# Altium PCB MiGo_V4.0.PcbDoc (part 1 of 2) (continued)
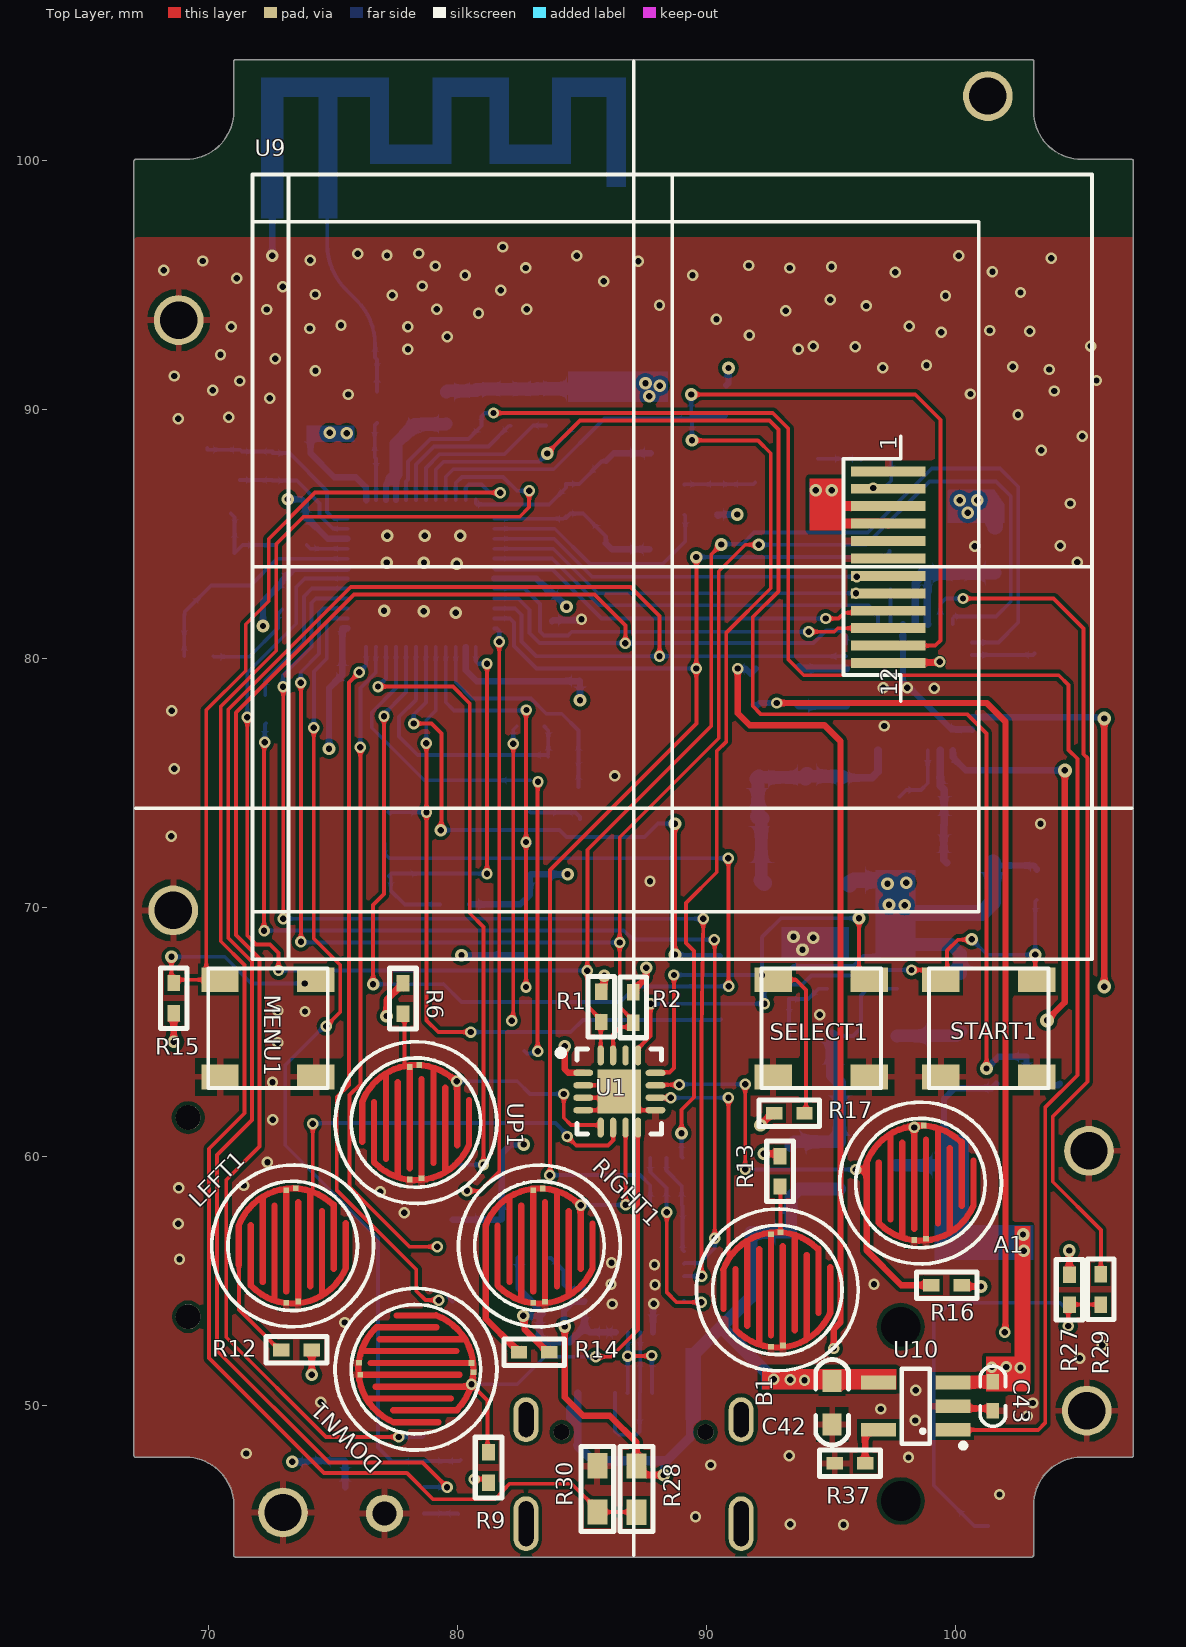
[diagram p0: Top Layer view]
## Components (designator, comment, footprint, x,y, rotation, side; value= is the part's Value field where it differs from the comment) (continued)
R7 "499" "R 0402" 72.314,78.011 r270 bottom
R8 "0" "R 0402" 84.259,76.07 r180 bottom
R9 "10k" "R 0402" 81.25,47.503 r270 top
R10 "10k" "R 0402" 103.271,70.912 r90 bottom
R11 "0" "R 0402" 84.869,74.224 r270 bottom
R12 "10k" "R 0402" 73.533,52.23 r0 top
R13 "10k" "R 0402" 93.332,61.735 r180 top
R14 "10k" "R 0402" 83.083,52.144 r0 top
R15 "10k" "R 0402" 68.61,66.36 r270 top
R16 "10k" "R 0402" 99.652,54.834 r0 top
R17 "10k" "R 0402" 92.959,59.406 r90 top
R18 "5M" "R 0402" 84.358,86.33 r90 bottom
R19 "10k" "R 0402" 79.908,70.127 r0 bottom
R21 "0" "R 0603" 100.581,71.806 r180 bottom
R22 "100k" "R 0402" 80.747,47.816 r0 bottom
R23 "0" "R 0402" 80.64,45.634 r0 bottom
R24 "10R" "R 0603" 101.597,84.371 r270 bottom
R25 "4.7k" "R 0402" 83.076,55.918 r180 bottom
R26 "0" "R 0402" 97.348,83.586 r270 bottom
R27 "10k" "R 0402" 104.587,54.648 r270 top
R28 "470K" "R 0603" 87.191,46.642 r270 top
R29 "0" "R 0402" 105.847,54.663 r90 top
R30 "470K" "R 0603" 85.618,46.645 r90 top
R31 "10k" "R 0402" 103.182,80.82 r270 bottom
R32 "100K" "R 0402" 91.791,57.501 r270 bottom
R33 "0" "R 0603" 88.938,76.566 r0 bottom
R34 "523k" "R 0402" 93.322,66.855 r270 bottom
R35 "10" "R 0402" 96.817,87.998 r0 bottom
R36 "10K" "R 0402" 90.424,86.398 r90 bottom
R37 "1.5K" "R 0402" 95.768,47.673 r180 top
R38 "1K" "R 0402" 89.116,86.39 r90 bottom
R39 "115k" "R 0402" 93.32,64.165 r90 bottom
R40 "470K" "R 0402" 102.253,62.801 r0 bottom
R41 "470K" "R 0402" 104.816,62.931 r0 bottom
R59 "10K" "R 0402" 90.8,90.371 r270 bottom
RIGHT1 "SW SMD-2" "Touch key 3"#5 83.295,56.405 r90 top
SELECT1 "SW SMD-2" "SW SMD-4.8*4.8*0.5" 94.615,65.151 r0 top
START1 "SW SMD-2" "SW SMD-4.8*4.8*0.5" 101.346,65.151 r0 top
U1 "PCF8574RGTR" QFN16 86.505,62.611 r0 top
U2 "esp32" QFN48A 78.532,83.416 r270 bottom
U3 "PSRAM64H" SOIC8 80.068,73.208 r0 bottom
U4 "wm8978" "QFN32 5x5_M" 98.146,78.849 r90 bottom
U5 "INMP441" INMP441 77.069,45.69 r0 bottom
U6 "CP2104" QFN24 87.107,54.943 r90 bottom
U7 "UMH3N" SOT336 88.445,58.908 r90 bottom
U8 "TLV62565" SOT23-5N 96.258,65.791 r270 bottom
U9 "IPS130-12" IPS154 87.079,83.688 r90 top
U10 "LTC4054" SOT23-5M 98.414,49.969 r90 top
UP1 "SW SMD-2" "Touch key 3"#6 78.334,61.362 r90 top
USB1 "Type-C" "type C 16p" 87.076,47.622 r90 bottom
VD1 "SS24" SOD-123 93.388,58.725 r90 bottom
X1 "40M" XTAL-3225 70.998,84.155 r180 bottom
X2 "32.768KHz" XTAL-3215 86.187,86.416 r90 bottom

## Footprints (in the part's own frame and the unit in brackets; to place one, negate y for a bottom-side part, rotate by r counter-clockwise, add the part's x,y. Pads: shape width x height; smd on the part's side, far side on the other; paste and mask are expansions set on the pad)
2.4GANTS10 [mil] "ESP32 天线"
  rect 20x20 smd: 1(1,7) 2(88,9)
  Top Layer region: -14.84,-4.5 14.85,-4.5 14.85,188.41 70.73,188.41 70.73,-4.5 105.4,-4.5 105.4,218.1 -96.47,218.1 -96.47,111.8 -165.64,111.8 -165.64,218.1 -285.87,218.1 -285.87,111.8 -354.61,111.8 -354.61,218.1 -470.91,218.1 -470.91,45.69 -441.23,45.69 -441.23,188.41 -384.3,188.41 -384.3,82.11 -256.19,82.11 -256.19,188.41 -195.32,188.41 -195.32,82.11 -66.78,82.11 -66.78,188.41 -14.84,188.41 -14.84,-4.5
3015 [mm]
  rect 1.2x2.8 smd: 1(-1,0) 2(1,0)
  silkscreen extent -1.75,-1.5 1.75,1.5
"BEEP SMD-2" [mm]
  rect 2x1 smd: 1(0,0) 2(0,2)
  silkscreen extent -1.32,-0.79 1.32,2.84
"C 0402" [mil] "无极性贴片电容"
  rect 25x20 smd: 1(-23,0.16) 2(23,0.16)
  silkscreen extent -48,-20 48,20, body extent -20,-10 20,10, height 20
"C 0603" [mil] "无极性贴片电容"
  rect 35x30 smd: 1(-35,0) 2(34,0)
  silkscreen extent -67,-26 67,26, body extent -31,-16 31,16, height 32
"C 0805" [mil] "无极性贴片电容"
  rect 50x50 smd: 1(-45,0) 2(45,0)
  silkscreen extent -89,-36 89,36, body extent -39,-24 39,24, height 20
INMP441 [mm]
  rect 1.2x0.5 smd: 1(1.58,-3.125) 2(1.58,-2.075) 3(1.58,-1.025) 6(-1.58,0.025) 7(-1.58,-1.025) 8(-1.58,-2.075) 9(-1.58,-3.125)
  rect 1.2x0.5 smd mask+0.102: 4(1.58,0.025)
  round 1.5 hole 0.96: 5(0,0.025)
  silkscreen extent -1.88,-3.62 1.88,1.1, body extent -1.88,-3.62 1.88,1.1, height 1
IPS154 [mm]
  rect 0.4x3 smd: 1(3.835,-10.23) 2(3.135,-10.23) 3(2.435,-10.23) 4(1.735,-10.23) 5(1.035,-10.23) 6(0.335,-10.23) 7(-0.365,-10.23) 8(-1.065,-10.23) 9(-1.765,-10.23) 10(-2.465,-10.23) 11(-3.165,-10.23) 12(-3.865,-10.23)
  silkscreen extent -15.76,-18.41 15.76,15.31, body extent -15.76,-18.41 15.76,15.31, height 1.5
"L 0402" [mil] "小功率贴片电感"
  rect 30x25 smd: 1(-25,0) 2(25,0)
  silkscreen extent -50,-20 50,20, body extent -20,-10 20,10, height 20
"L 1206" [mil] "小功率贴片电感"
  rect 50x65 smd: 1(-67.5,0) 2(67.5,0)
  silkscreen extent -105,-45 105,45, body extent -63,-31 63,31, height 35
"Li-Bettery SMD" [mm] "锂电池焊接部分"
  rect 3x1.5 smd: 1(-0.013,1.448) 2(0,-0.991)
  silkscreen extent -1.93,-2.21 1.91,2.59
"MY SD CARD" [mm]
  rect 2.032x2.2 smd: 0(0,0) 0(15.5,0)
  rect 1.2x1.4 smd: 0(0,9.6)
  rect 1.6x1.4 smd: 0(14.7,9.6)
  rect 0.7x1.8 smd: 1(10.1,10.227) 2(9,10.227) 3(7.9,10.227) 4(6.8,10.227) 5(5.7,10.227) 6(4.6,10.227) 7(3.5,10.227) 8(2.4,10.227) 9(1.3,10.227)
  round 1 hole 1 unplated: ""(2.9,-0.4) ""(10.9,-0.4)
  silkscreen extent -0.72,-4.68 16.27,11.75, body extent -0.27,-4.63 16,10.57, height 1.8
PJ393-8p [mm]
  rect 2.3x1.2 smd: 1(-0.5,-10.8) 2(6.5,-1.3) 3(6.5,-3.8) 4(6.5,-6.6) 5(-0.5,-8.6) 6(-0.5,-2.8) 7(-0.5,-5.8) 8(6.5,-8.8)
  round 1.5 hole 1.6: ""(3,-9.3) ""(3,-2.3)
  silkscreen extent 0,-13.4 6,1.2, body extent 0,-13.4 6,1.2, height 5.5
QFN16 [mm] "QFN, 16-Leads, Body 3.00x3.00mm, Pitch 0.50mm, Thermal Pad 1.75x1.75mm, IPC Medium Density"
  oval 0.8x0.25 smd: 1(-1.45,0.75) 2(-1.45,0.25) 3(-1.45,-0.25) 4(-1.45,-0.75) 9(1.45,-0.75) 10(1.45,-0.25) 11(1.45,0.25) 12(1.45,0.75)
  oval 0.25x0.8 smd: 5(-0.75,-1.45) 6(-0.25,-1.45) 7(0.25,-1.45) 8(0.75,-1.45) 13(0.75,1.45) 14(0.25,1.45) 15(-0.25,1.45) 16(-0.75,1.45)
  rect 1.75x1.75 smd: 17(0,0)
  silkscreen extent -2.47,-1.7 1.7,1.7, body extent -1.56,-1.56 1.56,1.56, height 1
QFN24 [mm]
  rect 0.8x0.3 smd: 1(-2,1.25) 2(-2,0.75) 3(-2,0.25) 4(-2,-0.25) 5(-2,-0.75) 6(-2,-1.25) 13(2,-1.25) 14(2,-0.75) 15(2,-0.25) 16(2,0.25) 17(2,0.75) 18(2,1.25)
  rect 0.3x0.8 smd: 7(-1.25,-2) 8(-0.75,-2) 9(-0.25,-2) 10(0.25,-2) 11(0.75,-2) 12(1.25,-2) 19(1.25,2) 20(0.75,2) 21(0.25,2) 22(-0.25,2) 23(-0.75,2) 24(-1.25,2)
  rect 2.6x2.6 smd: 25(0.005,0)
  silkscreen extent -2.32,-2.32 2.32,2.32, body extent -2,-2 2.01,2, height 0.9
"QFN32 5x5_M" [mm] "32脚，长：5mm，宽：5mm，高：9.5mm"
  rect 0.3x1 smd: 1(-1.751,-2.528)
  oval 0.3x1 smd: 2(-1.25,-2.528) 3(-0.75,-2.528) 4(-0.25,-2.528) 5(0.25,-2.528) 6(0.75,-2.528) 7(1.25,-2.528) 8(1.75,-2.528) 17(1.8,2.528) 18(1.3,2.528) 19(0.8,2.528) 20(0.3,2.528) 21(-0.2,2.528) 22(-0.7,2.528) 23(-1.2,2.528) 24(-1.7,2.528)
  oval 1x0.3 smd: 9(2.528,-1.75) 10(2.528,-1.25) 11(2.528,-0.75) 12(2.528,-0.25) 13(2.528,0.25) 14(2.528,0.75) 15(2.528,1.25) 16(2.528,1.75) 25(-2.528,1.75) 26(-2.528,1.25) 27(-2.528,0.75) 28(-2.528,0.25) 29(-2.528,-0.25) 30(-2.528,-0.75) 31(-2.528,-1.25) 32(-2.528,-1.75)
  rect 3.4x3.4 smd: 33(0,0)
  silkscreen extent -2.55,-3.12 2.55,2.57, body extent -2.5,-2.5 2.5,2.5, height 0.93
QFN48A [mm] "QFN48 6*6"
  rect 0.8x0.24 smd: 1(-2.95,2.2) 2(-2.95,1.8) 3(-2.95,1.4) 4(-2.95,1) 5(-2.95,0.6) 6(-2.95,0.2) 7(-2.95,-0.2) 8(-2.95,-0.6) 9(-2.95,-1) 10(-2.95,-1.4) 11(-2.95,-1.8) 12(-2.95,-2.2) 25(2.95,-2.2) 26(2.95,-1.8) 27(2.95,-1.4) 28(2.95,-1) 29(2.95,-0.6) 30(2.95,-0.2) 31(2.95,0.2) 32(2.95,0.6) 33(2.95,1) 34(2.95,1.4) 35(2.95,1.8) 36(2.95,2.2)
  rect 0.24x0.8 smd: 13(-2.2,-2.95) 14(-1.8,-2.95) 15(-1.4,-2.95) 16(-1,-2.95) 17(-0.6,-2.95) 18(-0.2,-2.95) 19(0.2,-2.95) 20(0.6,-2.95) 21(1,-2.95) 22(1.4,-2.95) 23(1.8,-2.95) 24(2.2,-2.95) 37(2.2,2.95) 38(1.8,2.95) 39(1.4,2.95) 40(1,2.95) 41(0.6,2.95) 42(0.2,2.95) 43(-0.2,2.95) 44(-0.6,2.95) 45(-1,2.95) 46(-1.4,2.95) 47(-1.8,2.95) 48(-2.2,2.95)
  rect 4x4 smd: 49(0,0)
  silkscreen extent -3.46,-3 3,3
"R 0402" [mil] "1/16W贴片电阻"
  rect 26x20 smd: 1(-24,0) 2(24,0)
  silkscreen extent -48,-21 48,21, body extent -20,-10 20,10, height 12
"R 0603" [mil] "1/10W贴片电阻"
  rect 40x31.5 smd: 1(-36.5,0) 2(36.5,0)
  silkscreen extent -68,-26 68,26, body extent -31,-16 31,16, height 16
SOD-123 [mil] "2.7x1.6X1.1mm（长宽高，不包括引脚）"
  rect 55x50 smd: 1(-67.5,0)
  oct 55x50 smd: 2(67.5,0)
  silkscreen extent -108,-35 112,35, body extent -73,-31 73,31, height 48
SOD-323 [mm] "1.8x1.3X0.9mm（长宽高，不包括引脚）"
  rect 1x0.8 smd: 1(-1.4,0)
  oct 1x0.8 smd: 2(1.4,0)
  silkscreen extent -2.11,-0.76 2.11,0.76, body extent -1.34,-0.63 1.31,0.67, height 1
SOIC8 [mm] "SOIC, 8-Leads, Body 4.90x3.90mm, Pitch 1.27mm, Thermal Pad 0.00x0.00mm, IPC Medium Density"
  oval 2x0.6 smd: 1(-2.85,1.905) 2(-2.85,0.635) 3(-2.85,-0.635) 4(-2.85,-1.905) 5(2.85,-1.905) 6(2.85,-0.635) 7(2.85,0.635) 8(2.85,1.905)
  silkscreen extent -2.97,-2.5 1.6,2.88, body extent -2,-2.5 2,2.5, height 1.75
SOP8W_N [mm] "5.3*8.3*1.8mm（长宽高）"
  rect 2.3x0.55 smd: 1(-3.95,1.905)
  oval 2.3x0.55 smd: 2(-3.95,0.635) 3(-3.95,-0.635) 4(-3.95,-1.905) 5(3.95,-1.905) 6(3.95,-0.635) 7(3.95,0.635) 8(3.95,1.905)
  silkscreen extent -3.94,-2.67 2.29,3.43, body extent -3.94,-2.64 3.94,2.64, height 1.9
SOT23-3M [mm] "3x1.3x1mm(长宽高)"
  rect 0.6x1.4 smd: 1(-0.95,0) 2(0.95,0) 3(0,2.514)
  silkscreen extent -1.78,-0.63 1.5,1.97, body extent -1.5,0.07 1.5,2.47, height 1.05
SOT23-3N [mm] "3x1.3x1mm(长宽高)"
  rect 0.5x1.2 smd: 1(-0.95,-1.143) 2(0.95,-1.143) 3(0,1.143)
  silkscreen extent -1.72,-1.78 1.5,0.7, body extent -1.5,-1.2 1.5,1.2, height 1.05
SOT23-5M [mm] "3x1.6x1.1mm(长宽高)"
  rect 0.55x1.4 smd: 1(-0.95,-1.5) 2(0,-1.5) 3(0.95,-1.5) 4(0.95,1.5) 5(-0.95,1.5)
  silkscreen extent -1.66,-1.98 1.5,0.56, body extent -1.5,-1.4 1.5,1.4, height 1.15
SOT23-5N [mm] "3x1.6x1.1mm(长宽高)"
  rect 0.5x1.2 smd: 1(-0.95,-1.4) 2(0,-1.4) 3(0.95,-1.4) 4(0.95,1.4) 5(-0.95,1.4)
  silkscreen extent -1.63,-1.78 1.5,0.56, body extent -1.5,-1.4 1.5,1.4, height 1.15
SOT336 [mm]
  rect 0.8x0.4 smd: 1(-0.894,0.599) 2(-0.894,-0.051) 3(-0.894,-0.701) 4(1.046,-0.701) 5(1.046,-0.051) 6(1.046,0.599)
  silkscreen extent -0.89,-1.14 0.46,1.49
"SW SMD-4.8*4.8*0.5" [mm] "锅仔片"
  rect 1.5x1 smd: 1(-1.925,1.95) 1(1.925,1.95) 2(-1.925,-1.95) 2(1.925,-1.95)
  silkscreen extent -2.4,-2.4 2.4,2.4, body extent -2.4,-2.4 2.4,2.4, height 0.35
"Touch key 3"#1 [mil] "橡胶按键导电板"
  rect 9x9 smd mask+4: 1(88,9.92) 1(91,-5) 2(-90,10) 2(-88,-8.85)
  Top Layer lines w10: 31.77,85.37 cw(c0,0) 80.13,43.33 cw(c0,0) 65.41,-63.4 ; -30.15,85 21.1,85 31.77,85 ; 32.5,66.23 -62.59,66.23 -63.91,64.91 ccw(c0,0) -35.39,-83.94 ; -57,47.46 76,47.46 ; -85,28.69 64,28.69 ; -72,9.92 88,9.92 ; -88,-8.85 69,-8.85 ; -64,-27.62 84,-27.62 ; -76,-46.39 55,-46.39 ; -36,-65.17 65.41,-65.17 ; 35.61,-83.94 -35.39,-83.94 ; -35.39,-83.94 -35.39,-83.94
  silkscreen extent -128,-128 128,128, body extent -127,-127 129,129, height 177
"Touch key 3"#2 [mil] "橡胶按键导电板"
  rect 9x9 smd mask+4: 1(88,9.92) 1(91,-5) 2(-90,10) 2(-88,-8.85)
  Top Layer lines w10: 31.77,85.37 cw(c0,0) 76.89,48.85 cw(c0,0) 65.41,-63.4 ; -30.15,85 31.77,85 ; 32.5,66.23 -62.59,66.23 -63.91,64.91 ccw(c0,0) -35.39,-83.94 ; -57,47.46 75.5,47.46 76,47.46 ; -85,28.69 64,28.69 ; -72,9.92 88,9.92 ; -88,-8.85 69,-8.85 ; -64,-27.62 84,-27.62 ; -76,-46.39 55,-46.39 ; -36,-65.17 65.41,-65.17 ; 35.61,-83.94 -35.39,-83.94 ; -35.39,-83.94 -35.39,-83.94
  silkscreen extent -128,-128 128,128, body extent -127,-127 129,129, height 177
"Touch key 3"#3 [mil] "橡胶按键导电板"
  rect 9x9 smd mask+4: 1(88,9.92) 1(91,-5) 2(-90,10) 2(-88,-8.85)
  Top Layer lines w10: -88,-8.85 69,-8.85 ; -85,28.69 64,28.69 ; -76,-46.39 55,-46.39 ; -72,9.92 88,9.92 ; -64,-27.62 84,-27.62 ; -57,47.46 76,47.46 ; -36,-65.17 65.41,-65.17 ; -30.15,85 31.77,85 ; 31.77,85.37 cw(c0,0) 87.89,-23.95 cw(c0,0) 86.14,-29.62 cw(c0,0) 86.11,-29.73 cw(c0,0) 83.63,-36.12 cw(c0,0) 65.41,-63.4 ; 32.5,66.23 -62.59,66.23 -63.91,64.91 ccw(c0,0) -35.39,-83.94 ; 35.61,-83.94 -35.39,-83.94 ; -35.39,-83.94 -35.39,-83.94
  silkscreen extent -128,-128 128,128, body extent -127,-127 129,129, height 177
"Touch key 3"#4 [mil] "橡胶按键导电板"
  rect 9x9 smd mask+4: 1(88,9.92) 1(91,-5) 2(-90,10) 2(-88,-8.85)
  Top Layer lines w10: 31.77,85.37 cw(c0,0) 41.68,81 cw(c0,0) 86.11,-29.73 cw(c0,0) 85.37,-31.77 cw(c0,0) 65.41,-63.4 ; -30.15,85 31.77,85 ; 32.5,66.23 -62.59,66.23 -63.91,64.91 ccw(c0,0) -35.39,-83.94 ; -57,47.46 76,47.46 ; -85,28.69 64,28.69 ; -72,9.92 88,9.92 ; -88,-8.85 69,-8.85 ; -64,-27.62 84,-27.62 ; -76,-46.39 55,-46.39 ; -36,-65.17 63.64,-65.17 65.41,-65.17 ; 35.61,-83.94 -35.39,-83.94 ; -35.39,-83.94 -35.39,-83.94
  silkscreen extent -128,-128 128,128, body extent -127,-127 129,129, height 177
"Touch key 3"#5 [mil] "橡胶按键导电板"
  rect 9x9 smd mask+4: 1(88,9.92) 1(91,-5) 2(-90,10) 2(-88,-8.85)
  Top Layer lines w10: 31.77,85.37 cw(c0,0) 72.72,54.87 cw(c0,0) 77.75,47.46 cw(c0,0) 87.47,-25.43 cw(c0,0) 65.41,-63.4 ; -30.15,85 31.77,85 ; 32.5,66.23 -62.59,66.23 -63.91,64.91 ccw(c0,0) -35.39,-83.94 35.61,-83.94 ; -57,47.46 72.72,47.46 76,47.46 ; -85,28.69 64,28.69 ; -72,9.92 88,9.92 ; -88,-8.85 69,-8.85 ; -64,-27.62 84,-27.62 ; -76,-46.39 55,-46.39 ; -36,-65.17 64.32,-65.17 65.41,-65.17
  silkscreen extent -128,-128 128,128, body extent -127,-127 129,129, height 177
"Touch key 3"#6 [mil] "橡胶按键导电板"
  rect 9x9 smd mask+4: 1(88,9.92) 1(91,-5) 2(-90,10) 2(-88,-8.85)
  Top Layer lines w10: 31.77,85.37 cw(c0,0) 53.52,73.71 cw(c0,0) 77.27,48.25 cw(c0,0) 89.3,18 cw(c0,0) 90.52,10.18 cw(c0,0) 90.55,9.92 cw(c0,0) 65.41,-63.4 ; -30.15,85 -18,85 31.77,85 ; 32.5,66.23 -62.59,66.23 -63.91,64.91 ccw(c0,0) -35.39,-83.94 ; -57,47.46 76,47.46 ; -85,28.69 64,28.69 ; -72,9.92 88,9.92 ; -88,-8.85 69,-8.85 ; -64,-27.62 84,-27.62 ; -76,-46.39 55,-46.39 ; -36,-65.17 52.08,-65.17 65.41,-65.17 ; 35.61,-83.94 -35.39,-83.94 ; -35.39,-83.94 -35.39,-83.94
  silkscreen extent -128,-128 128,128, body extent -127,-127 129,129, height 177
"type C 16p" [mm]
  oval 2.2x1 hole 0.6 slot 1.8 at 0 deg: 0(-2.373,-4.32) 0(-2.373,4.32)
  oval 1.8x1 hole 0.6 slot 1.4 at 0 deg: 0(1.807,-4.32) 0(1.807,4.32)
  rect 2.15x0.3 smd: A1(2.873,3.35) A4(2.873,2.55) A5(2.873,1.25) A6(2.873,0.249) A7(2.873,-0.25) A8(2.873,-1.25) A9(2.873,-2.55) A12(2.873,-3.35) B1(2.873,-3.051) B4(2.873,-2.25) B5(2.873,-1.75) B6(2.873,-0.749) B7(2.873,0.749) B8(2.873,1.75) B9(2.873,2.25) B12(2.873,3.051)
  round 0.65 hole 0.65 unplated: ""(1.307,-2.89) ""(1.307,2.89)
  silkscreen extent -4.97,-4.62 2.37,4.62, body extent -4.97,-4.62 2.37,4.62, height 3.16
XTAL-3215 [mm]
  rect 1.2x1.5 smd: 1(-1.65,0) 2(1.65,0)
  silkscreen extent -2.41,-0.89 2.41,0.89, body extent -1.6,-0.75 1.6,0.75, height 0.81
XTAL-3225 [mm]
  rect 1.1x1.3 smd: 1(-0.051,0.076) 2(-0.051,-2.388) 3(1.956,-2.388) 4(1.956,0.076)
  silkscreen extent -1.4,-3.3 2.79,1.02, body extent -0.34,-2.74 2.16,0.46, height 0.8

## Part data
A1 B1 DOWN1 LEFT1 MENU1 RIGHT1 SELECT1 START1 UP1: "Arduboy 用"
B2: library part BEEP, "蜂鸣器", 学习资源=https://lmdzstyle
BT1: "锂电池"
C1 C2 C3 C4 C5 C6 C7 C8 C9 C10 C11 C12 C13 C14 C15 C16 C17 C18 C19 C20 C21 C22 C23 C24 C25 C26 C27 C28 C29 C30 C31 C32 C33 C35 C36 C37 C38 C39 C40 C41 C42 C43 C58: library part C, "无极性贴片电容"
D1: library part DR, "瞬态电压抑制二极管"
IC1: "外置Flash", 学习资源=https://lmdzstyle
J1: "Micro SD卡", BOM名称=Micr, 学习资源=https://lmdzstyle
JP1: "SMA-板载2.4G射频天线", BOM名称=°, 学习资源=https://lmdzstyle
L1 L2 L3 L4: library part L, "小功率贴片电感"
  L3: 学习资源=https://lmdzstyle
Q1: "P沟道场效应管"
Q2: library part 8050-SMD, "高频放大-NPN型", 学习资源=https://lmdzstyle, 属性="40V 1.5A 1W 10"
R1 R2 R3 R4 R5 R6 R7 R8 R9 R10 R11 R12 R13 R14 R15 R16 R17 R18 R19 R21 R22 R23 R24 R25 R26 R27 R28 R29 R30 R31 R32 R33 R34 R35 R36 R37 R38 R39 R40 R41 R59: library part R, "贴片电阻"
U1: "TI 8位 IO扩展芯片"
U2: "esp32 оƬ"
U3: "PSRAM"
U6: "USB转串口芯片"
U7: "三极管(阵列)，内置电阻，自动下载电路用"
U8: "TI TLV62565DBVR 电源管理芯片"
U10: "充电管理"
USB1: library part "Type-C Socket", "USB 3.1  单排16PIN四脚插板(L=7.35) 一体式MD", ComponentLink1Description="USB 3.1 C TYPEµ¥ÅÅ16PINËÄ½", ComponentLink1URL=https://item.szlcsc.com/293008.html
VD1: "肖特基二极管"
X1: library part XTAL-4, "4脚晶振", 学习资源=https://lmdzstyle
X2: library part XTAL-2, "2脚晶振", 学习资源=https://lmdzstyle

## Free pads (board coordinates)
  round 2 hole 1.5: 3(68.583,69.888) 3(68.804,93.599) 3(72.992,45.7) 3(101.305,102.598) 3(105.283,49.789) 3(105.369,60.228)

## Via types
v1: diameter 0.457, hole 0.254, Top Layer to Bottom Layer, tented both sides, 217 vias
v2: diameter 0.508, hole 0.254, Top Layer to Bottom Layer, tented both sides, 70 vias
v3: diameter 0.559, hole 0.254, Top Layer to Bottom Layer, tented both sides, 4 vias

## Nets (pads, with @x,y where several pads share a name; then routed paths per layer and width w, separated by ;. In a path a pad name is that pad's centre, name@x,y a point inside that pad or via, vN(x,y) a via of type N, cw(c..) or ccw(c..) an arc to the next point about the centre after c; other vN are vias at no path point)
32K_XN: C19.2 R18.1 U2.13 X2.1 | length 7.2
  Bottom Layer w0.152: U2.13@81.482,85.616 84.255,85.616 R18.1@84.358,85.72 84.358,85.644 84.539,85.824 85.052,85.824 85.964,84.912 X2.1@85.964,84.636
  Bottom Layer w0.254: X2.1@85.964,84.636 86.206,84.394 C19.2@87.719,84.394
32K_XP: C18.2 R18.2 U2.12 X2.2 | length 8.1
  Bottom Layer w0.152: U2.12@80.732,86.387 U2.12@80.732,86.366 80.732,86.239 80.776,86.195 83.69,86.195 84.358,86.863 R18.2@84.358,86.939 84.358,87.015 84.893,87.015 85.814,87.936 X2.2@85.964,87.936
  Bottom Layer w0.254: X2.2@85.964,87.936 86.28,88.252 C18.2@87.766,88.252
+3.3V: C3.2 C4.1 C6.2 C8.2 C9.2 C10.2 C11.2 C15.2 C21.2 C25.2 C31.2 C32.2 C33.2 C37.2 C38.2 D1.1 J1.4 L1.1 L3.2 L4.1 R1.1 R2.1 R6.2 R9.2 R10.2 R12.2 R13.2 R14.2 R15.2 R16.2 R17.2 R21.1 R24.1 R25.2 R27.1 R34.1 R36.1 R59.1 U1.1 U2.1 U2.19 U2.37 U2.43 U2.46 U5.7 U5.8 U6.5 U6.6 U6.7 U9.3 U9.4 | length 87.1
  Top Layer w0.152: v1(80.673,47.041) 81.087,47.041 81.095,47.048 R9.2@81.25,46.893
  Top Layer w0.254: v2(68.603,64.61) 68.603,65.743 R15.2@68.61,65.75 ; R12.2@74.143,52.23 74.148,52.225 74.148,51.234 v2(74.153,51.229) ; v2(77.15,65.641) 77.15,66.289 R6.2@77.813,66.952 ; v2(82.647,53.599) 82.695,53.55 82.695,53.065 83.617,52.144 R14.2@83.693,52.144 ; v2(84.308,64.432) 84.308,63.512 84.456,63.363 85.053,63.363 U1.1@85.055,63.361 ; R1.1@85.781,66.622 85.903,66.744 v2(85.903,67.264) ; R2.1@87.064,66.599 87.064,66.675 87.582,67.193 v2(87.582,67.577) ; v2(92.174,61.262) 92.647,61.735 R13.2@92.723,61.735 ; v2(92.311,60.112) 92.862,60.112 R17.2@92.959,60.015 ; R16.2@100.261,54.834 100.317,54.778 v2(101.031,54.778) ; v2(104.582,56.223) 104.582,55.278 104.574,55.27 R27.1@104.587,55.258
  Top Layer w0.381: v2(94.399,86.766) 94.423,86.742 94.423,86.265 95.255,85.433 97.3,85.433 U9.4@97.309,85.423 ; v2(95.039,86.766) 95.039,86.436 95.343,86.133 97.3,86.133 U9.3@97.309,86.123
  Bottom Layer w0.152: C37.2@97.457,68.516 97.005,68.064 96.312,68.064 95.901,67.653 93.5,67.653 R34.1@93.37,67.523 ; R34.1@93.37,67.523 93.322,67.475 R34.1@93.322,67.465 93.37,67.513 R34.1@93.37,67.523
  Bottom Layer w0.254: v2(72.189,81.308) 72.189,82.297 72.965,83.073 C33.2@72.965,83.137 73.445,83.616 U2.43@75.582,83.616 ; v2(73.187,86.4) 73.752,86.4 73.901,86.252 73.901,85.64 C3.2@73.914,85.627 73.977,85.627 74.788,84.816 U2.46@75.582,84.816 ; v2(73.365,47.734) 73.989,47.734 C25.2@74.037,47.782 74.046,47.773 75.48,47.773 U5.8@75.489,47.764 U5.7@75.489,46.714 ; C6.2@74.098,89.017 74.098,88.244 75.057,87.285 75.918,87.285 76.325,86.878 76.325,86.639 76.332,86.632 U2.1@76.332,86.366 ; v2(74.843,76.381) 74.843,78.809 75.376,79.342 C15.2@75.376,79.405 75.376,81.209 75.383,81.216 U2.37@75.582,81.216 ; J1.4@79.812,57.462 81.711,57.462 C4.1@81.735,57.485 81.785,57.485 81.785,60.119 82.149,60.482 v2(82.669,60.482) ; U2.19@81.482,83.216 83.17,83.216 C21.2@83.614,82.771 ; R25.2@82.542,55.918 R25.2@82.466,55.918 82.466,54.699 83.134,54.031 83.134,53.967 83.388,53.713 C31.2@83.452,53.713 C31.2@83.337,53.599 ; v2(82.647,53.599) C31.2@83.337,53.599 ; C32.2@83.302,52.554 83.302,53.564 C31.2@83.337,53.599 ; C21.2@83.801,82.672 v2(84.383,82.09) ; U6.7@85.107,53.693 85.107,53.151 85.315,52.943 U6.6@85.857,52.943 U6.5@86.357,52.943 ; R36.1@90.48,85.733 R36.1@90.424,85.788 v2(91.237,85.788) ; R59.1@90.8,90.98 90.886,91.067 v2(90.886,91.676) ; R21.1@101.509,71.806 101.626,71.688 103.144,71.688 103.271,71.561 R10.2@103.271,71.521
  Bottom Layer w0.305: C32.2@83.302,52.554 84.51,52.554 85.107,53.151
  Bottom Layer w0.508: L1.1@79.555,90.711 79.599,90.754 80.753,90.754 C11.2@80.753,90.797 80.753,90.827 83.201,90.827 C9.2@83.201,90.842 ; C9.2@83.201,90.856 C9.2@83.201,90.842 ; C8.2@86.571,91.041 86.464,90.934 84.887,90.934 D1.1@84.78,90.827 84.766,90.842 C9.2@83.201,90.842 ; C37.2@97.457,68.516 99.83,68.516 100.208,68.138 L3.2@100.208,67.352
  Bottom Layer w0.635: L4.1@95.75,70.983 95.75,70.932 95.918,71.1 96.921,71.1 97.457,70.564 97.457,69.776 ; C37.2@97.457,68.516 97.457,69.776 ; R21.1@101.509,71.806 101.509,70.21 101.075,69.776 97.457,69.776 ; R24.1@101.515,85.489 101.597,85.406 R24.1@101.597,85.298
  other v2: 97.963,70.096 97.335,70.119 97.274,70.955 98.031,71.001 100.505,85.86 100.183,86.368 100.886,86.357 75.55,89.057 74.869,89.07 87.709,90.546 88.13,90.968 87.554,91.064
+3.3VA: C24.2 C26.2 C39.2 C40.2 L4.2 U4.31 | length 10.3
  Bottom Layer w0.305: C26.2@95.475,75.212 96.653,75.212 96.893,75.451 96.893,76.319 U4.31@96.895,76.321
  Bottom Layer w0.508: C40.2@92.073,73.662 C39.2@92.073,75.14 ; C39.2@92.112,75.229 C24.2@93.983,75.229 ; L4.2@92.21,71.095 C40.2@92.21,73.574 ; C24.2@94.046,75.329 94.104,75.27 95.475,75.27 C26.2@95.475,75.212
  Bottom Layer w0.635: C40.2@92.073,73.662 C40.2@92.098,73.637 92.146,73.637 C40.2@92.21,73.574 ; C39.2@92.073,75.14 C39.2@92.048,75.165 C39.2@92.112,75.229 ; L4.2@92.21,71.095 L4.2@92.321,70.983 ; C24.2@93.983,75.229 94.046,75.292 C24.2@94.046,75.329
A: A1.1 R16.1 U1.11 | length 16.9
  Top Layer w0.152: U1.11@87.955,62.861 87.974,62.88 v1(88.908,62.88) ; v1(91.557,62.903) 91.559,62.901 v1(91.559,59.482)
  Top Layer w0.254: v1(96.002,59.469) 96.441,59.469 ; 96.441,58.167 96.441,56.225 97.833,54.834 R16.1@99.042,54.834
  Bottom Layer w0.152: v1(88.908,62.88) 88.93,62.903 v1(91.557,62.903) ; v1(91.559,59.482) v1@95.811,59.482
  other v1: 98.348,61.168
AGND: C22.2 C23.2 C24.1 C26.1 C35.1 C39.1 C40.1 R33.2 U4.28
B: B1.1 R17.1 U1.10 | length 10.9
  Top Layer w0.152: U1.10@87.955,62.361 87.959,62.357 v1(88.567,62.357) ; v1(90.886,62.357) 90.886,55.997 90.904,55.979 ; R17.1@92.949,58.494 92.977,58.466 B1.1@92.977,56.954
  Bottom Layer w0.152: v1(88.567,62.357) 88.57,62.36 v1@90.886,62.36
CHRG: C16.1 U2.5 U10.1 | length 73.2
  Top Layer w0.152: v1(81.448,89.865) 92.664,89.865 93.293,89.237 93.293,79.955 93.914,79.334 104.155,79.334 104.551,78.938 104.551,76.33 104.907,75.975 104.907,63.264 103.609,61.966 103.609,49.294 103.335,49.019 U10.1@99.914,49.019
  Bottom Layer w0.152: U2.5@77.932,86.366 77.932,87.112 78.014,87.195 78.014,87.915 78.923,88.824 80.444,88.824 C16.1@80.973,89.352 80.973,89.728 81.11,89.865 v1(81.448,89.865)
DOWN: DOWN1.1 R9.1 U1.8 | length 19.1
  Top Layer w0.152: v1@80.566,50.848 80.566,50.846 81.209,50.203 81.209,48.326 R9.1@81.369,48.166 ; R9.1@81.166,48.031 81.343,48.209 R9.1@81.343,48.285 ; v1(85.557,51.953) 86.166,51.953 87.255,53.042 U1.8@87.255,61.161
  Bottom Layer w0.152: v1(80.564,50.848) 82.4,50.848 83.505,51.953 v1(85.557,51.953)
DTR: U6.23 U7.2 U7.4 | length 7.7
  Top Layer w0.152: v1(88.412,57.76) 88.412,54.534 88.798,54.148 v1(89.794,54.148)
  Bottom Layer w0.152: U7.4@87.745,59.954 87.745,59.38 88.395,58.73 U7.2@88.395,58.014 ; U6.23@89.107,54.193 89.152,54.148 v1(89.794,54.148)
FLASH_CLK: IC1.6 R5.2 | length 11.9
  Top Layer w0.152: v1(82.182,65.456) 82.243,65.517 v1(82.243,76.584)
  Bottom Layer w0.152: v1(82.243,76.584) 82.243,77.145 R5.2@82.382,77.285
GND: A1.2 B1.2 BT1.2 C1.2 C2.2 C3.1 C4.2 C5.1 C6.1 C8.1 C9.1 C10.1 C11.1 C12.1 C13.1 C14.1 C15.1 C18.1 C19.1 C20.1 C21.1 C25.1 C27.1 C28.1 C31.1 C32.1 C33.1 C36.1 C37.1 C38.1 C41.1 C42.1 C43.1 C58.1 CON1.6 D1.2 DOWN1.2 IC1.4 J1.0 J1.6 JP1.2 LEFT1.2 MENU1.2 pad.3@68.583,69.888 pad.3@68.804,93.599 pad.3@72.992,45.7 pad.3@105.283,49.789 pad.3@105.369,60.228 Q2.2 R22.2 R23.2 R30.2 R31.1 R32.1 R33.1 R37.2 R39.1 R41.2 RIGHT1.2 SELECT1.2 START1.2 U1.2 U1.3 U1.4 U1.9 U1.17 U2.49 U3.4 U4.12 U4.24 U4.33 U5.5 U5.6 U5.9 U6.2 U6.25 U8.2 U9.1 U9.5 U9.6 U9.12 U10.2 UP1.2 USB1.A1 USB1.A12 USB1.B1 USB1.B12 X1.2 X1.4 | length 24
  Top Layer w0.152: U1.4@85.055,61.861 85.755,61.861 U1.17@86.255,62.361 ; U1.3@85.055,62.361 U1.17@86.255,62.361 ; U1.2@85.055,62.861 86.255,62.861 U1.17@86.505,62.611 ; U1.9@87.955,61.861 87.255,61.861 U1.17@86.505,62.611 ; U1.17@86.255,62.361 U1.17@86.505,62.611
  Top Layer w0.254: U9.12@97.309,79.823 97.335,79.849 99.349,79.849 v1(99.375,79.875) ; U10.2@99.914,49.969 100.005,49.878 101.418,49.878 C43.1@101.51,49.787
  Bottom Layer w0.152: C1.2@70.19,80.092 70.209,80.073 71.637,80.073 72.788,81.224 72.788,81.791 C33.1@72.965,81.968
  Bottom Layer w0.254: v2(72.563,96.182) JP1.2@72.563,98.024 ; C21.1@83.801,81.504 83.844,81.546 84.947,81.546 v1(84.986,81.585) ; U6.2@87.857,52.943 87.857,54.054 v1(87.881,54.079) ; U4.12@97.896,81.377 97.896,79.099 U4.33@98.146,78.849 99.837,77.158 100.665,77.158 U4.24@100.674,77.149
  other v1: 95.509,45.204 93.373,45.232 89.563,45.532 101.775,46.421 90.175,47.61 98.12,47.912 93.327,47.983 71.521,48.069 98.389,49.398 102.893,49.578 97.01,49.858 103.116,50.099 74.511,50.129 98.407,50.616 104.996,51.9 105.908,52.418 75.476,53.33 86.225,54.074 87.937,54.844 86.169,54.867 96.736,54.869 87.914,55.649 86.19,55.738 68.836,55.872 68.789,57.297 77.861,57.747 76.904,58.585 68.806,58.737 71.415,58.837 72.367,59.772 72.583,61.476 72.573,62.977 72.781,64.574 94.557,65.692 72.781,65.849 73.876,65.824 87.734,71.051 68.504,72.862 103.424,73.37 86.314,75.288 68.618,75.58 97.147,77.295 68.519,77.912 98.067,78.824 99.154,78.816 97.107,78.831 104.902,83.87 100.787,84.511 104.216,84.531 104.618,86.233 103.457,88.367 105.098,88.93 68.786,89.632 70.818,89.695 102.519,89.792 72.463,90.462 75.613,90.612 100.607,90.63 103.975,90.752 70.165,90.775 71.257,91.15 105.672,91.173 68.621,91.351 74.295,91.564 103.777,91.613 97.091,91.679 102.301,91.73 98.844,91.78 72.687,92.042 70.48,92.207 78.011,92.431 93.698,92.423 95.984,92.522 94.287,92.547 105.435,92.555 79.591,92.934 91.73,92.994 99.433,93.111 102.992,93.147 101.389,93.18 74.069,93.261 70.919,93.335 78.011,93.335 98.153,93.348 75.324,93.398 90.404,93.627 80.848,93.876 93.182,93.972 72.337,94.026 79.166,94.038 82.781,94.038 96.426,94.168 88.118,94.193 94.976,94.414 77.384,94.602 99.604,94.579 74.282,94.628 102.621,94.709 81.739,94.803 72.977,94.943 78.588,94.968 85.88,95.153 71.133,95.28 80.307,95.395 89.446,95.397 97.582,95.522 101.491,95.54 68.207,95.595 93.35,95.692 82.743,95.694 95.026,95.743 79.115,95.771 91.707,95.791 69.764,95.971 87.258,95.964 74.082,95.997 103.85,96.078 77.17,96.197 84.798,96.185 100.142,96.18 76.002,96.261 78.45,96.274 81.826,96.536
  other v2: 93.863,68.306 94.29,68.788 93.502,68.829 79.931,81.849 78.643,81.9 77.053,81.918 79.972,83.817 77.16,83.858 78.654,83.858 77.178,84.938 78.682,84.93 80.114,84.938
GPIO16: R19.1 U2.25 U3.1 | length 16.3
  Top Layer w0.152: v1(81.189,71.364) v1(81.189,79.797)
  Bottom Layer w0.152: R19.1@79.299,70.127 77.881,70.127 77.318,70.691 77.318,71.204 77.251,71.27 77.345,71.364 v1(81.189,71.364) ; U2.25@80.732,80.466 80.732,79.892 80.827,79.797 v1(81.189,79.797)
GPIO17: R8.1 R11.1 U2.27 | length 9.4
  Bottom Layer w0.152: U2.27@79.932,80.466 79.932,79.049 80.587,78.395 82.96,78.395 83.567,77.787 84.191,77.787 84.859,77.119 84.859,76.07 84.859,74.844 R11.1@84.869,74.833
HPL: C29.2 CON1.8 | length 35.1
  Top Layer w0.254: v1(92.822,78.219) 101.262,78.219 102.014,77.467 102.014,52.962 v1(101.989,52.936)
  Bottom Layer w0.254: C29.2@91.905,78.156 91.915,78.146 91.991,78.069 92.141,78.219 v1(92.822,78.219)
HPR: C30.2 CON1.5 | length 31.9
  Top Layer w0.254: v1@91.262,79.67 91.262,77.8 91.738,77.324 94.745,77.324 95.388,76.681 95.388,53.334 95.115,53.062 v1(95.115,52.288)
  Bottom Layer w0.254: v1(91.26,79.601) 91.57,79.601 91.778,79.393 C30.2@91.978,79.593